# KiCad board RP2040_Fullsize.kicad_pcb (continued)
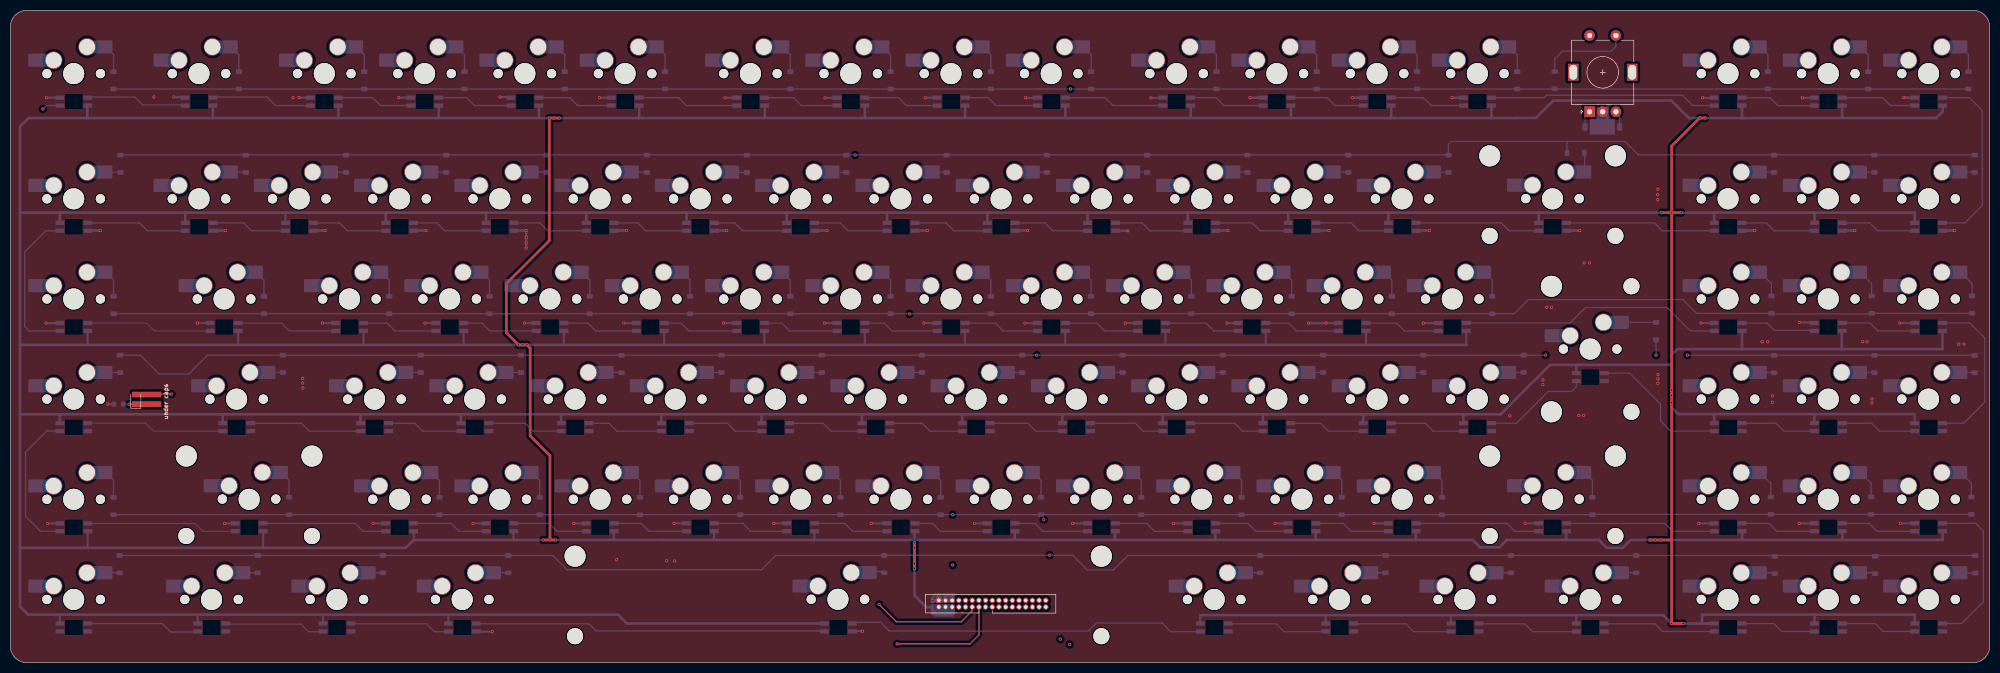
[diagram p0: board, top side]
## Nets
GND: C21.2 C22.2 J1.1 J1.3 J1.5 R1.2 RGB1.3 RGB2.3 RGB3.3 RGB4.3 RGB5.3 RGB6.3 RGB7.3 RGB8.3 RGB9.3 RGB10.3 RGB11.3 RGB12.3 RGB13.3 RGB14.3 RGB15.3 RGB16.3 RGB17.3 RGB18.3 RGB19.3 RGB20.3 RGB21.3 RGB22.3 RGB23.3 RGB24.3 RGB25.3 RGB26.3 RGB27.3 RGB28.3 RGB29.3 RGB30.3 RGB31.3 RGB32.3 RGB33.3 RGB34.3 RGB35.3 RGB36.3 RGB37.3 RGB38.3 RGB39.3 RGB40.3 RGB41.3 RGB42.3 RGB43.3 RGB44.3 RGB45.3 RGB46.3 RGB47.3 RGB48.3 RGB49.3 RGB50.3 RGB51.3 RGB52.3 RGB53.3 RGB54.3 RGB55.3 RGB56.3 RGB57.3 RGB58.3 RGB59.3 RGB60.3 RGB61.3 RGB62.3 RGB63.3 RGB64.3 RGB65.3 RGB66.3 RGB67.3 RGB68.3 RGB69.3 RGB70.3 RGB71.3 RGB72.3 RGB73.3 RGB74.3 RGB75.3 RGB76.3 RGB77.3 RGB78.3 RGB79.3 RGB80.3 RGB81.3 RGB82.3 RGB83.3 RGB84.3 RGB85.3 RGB86.3 RGB87.3 RGB88.3 RGB89.3 RGB90.3 RGB91.3 RGB92.3 RGB93.3 RGB94.3 RGB95.3 RGB96.3 RGB97.3 RGB98.3 RGB99.3 ROTARY1.C
VBUS: J1.2 J1.4 J1.6 RGB1.1 RGB2.1 RGB3.1 RGB4.1 RGB5.1 RGB6.1 RGB7.1 RGB8.1 RGB9.1 RGB10.1 RGB11.1 RGB12.1 RGB13.1 RGB14.1 RGB15.1 RGB16.1 RGB17.1 RGB18.1 RGB19.1 RGB20.1 RGB21.1 RGB22.1 RGB23.1 RGB24.1 RGB25.1 RGB26.1 RGB27.1 RGB28.1 RGB29.1 RGB30.1 RGB31.1 RGB32.1 RGB33.1 RGB34.1 RGB35.1 RGB36.1 RGB37.1 RGB38.1 RGB39.1 RGB40.1 RGB41.1 RGB42.1 RGB43.1 RGB44.1 RGB45.1 RGB46.1 RGB47.1 RGB48.1 RGB49.1 RGB50.1 RGB51.1 RGB52.1 RGB53.1 RGB54.1 RGB55.1 RGB56.1 RGB57.1 RGB58.1 RGB59.1 RGB60.1 RGB61.1 RGB62.1 RGB63.1 RGB64.1 RGB65.1 RGB66.1 RGB67.1 RGB68.1 RGB69.1 RGB70.1 RGB71.1 RGB72.1 RGB73.1 RGB74.1 RGB75.1 RGB76.1 RGB77.1 RGB78.1 RGB79.1 RGB80.1 RGB81.1 RGB82.1 RGB83.1 RGB84.1 RGB85.1 RGB86.1 RGB87.1 RGB88.1 RGB89.1 RGB90.1 RGB91.1 RGB92.1 RGB93.1 RGB94.1 RGB95.1 RGB96.1 RGB97.1 RGB98.1 RGB99.1
Caps: J1.12 LED1.2
COL0: J1.7 MX1.1 MX18.1 MX36.1 MX53.1 MX71.1 MX88.1
COL1: J1.9 MX2.1 MX19.1 MX37.1 MX54.1 MX72.1 MX89.1
COL2: J1.11 MX3.1 MX20.1 MX38.1 MX55.1 MX73.1 MX90.1
COL3: J1.13 MX4.1 MX21.1 MX39.1 MX56.1 MX74.1 MX91.1
COL4: J1.15 MX5.1 MX22.1 MX40.1 MX57.1 MX75.1
COL5: J1.17 MX6.1 MX23.1 MX41.1 MX58.1 MX76.1
COL6: J1.19 MX7.1 MX24.1 MX42.1 MX59.1 MX77.1
COL7: J1.21 MX8.1 MX25.1 MX43.1 MX60.1 MX78.1 MX92.1
COL8: J1.23 MX9.1 MX26.1 MX44.1 MX61.1 MX79.1
COL9: J1.25 MX10.1 MX27.1 MX45.1 MX62.1 MX80.1
COL10: J1.27 MX11.1 MX28.1 MX46.1 MX63.1 MX81.1
COL11: J1.29 MX12.1 MX29.1 MX47.1 MX64.1 MX82.1 MX93.1
COL12: J1.31 MX13.1 MX30.1 MX48.1 MX65.1 MX83.1 MX94.1
COL13: J1.33 MX14.1 MX31.1 MX49.1 MX66.1 MX84.1 MX95.1
COL14: J1.34 MX32.1 MX67.1 MX96.1 ROTARY1.S2
COL15: J1.32 MX15.1 MX33.1 MX50.1 MX68.1 MX85.1 MX97.1
COL16: J1.30 MX16.1 MX34.1 MX51.1 MX69.1 MX86.1 MX98.1
COL17: J1.28 MX17.1 MX35.1 MX52.1 MX70.1 MX87.1 MX99.1
R_A: C21.1 J1.10 ROTARY1.A
R_B: C22.1 J1.8 ROTARY1.B
RGB_DATA: J1.14 RGB1.4
ROW0: D1.1 D2.1 D3.1 D4.1 D5.1 D6.1 D7.1 D8.1 D9.1 D10.1 D11.1 D12.1 D13.1 D14.1 D15.1 D16.1 D17.1 D100.1 J1.26
ROW1: D18.1 D19.1 D20.1 D21.1 D22.1 D23.1 D24.1 D25.1 D26.1 D27.1 D28.1 D29.1 D30.1 D31.1 D32.1 D33.1 D34.1 D35.1 J1.24
ROW2: D36.1 D37.1 D38.1 D39.1 D40.1 D41.1 D42.1 D43.1 D44.1 D45.1 D46.1 D47.1 D48.1 D49.1 D50.1 D51.1 D52.1 J1.22
ROW3: D53.1 D54.1 D55.1 D56.1 D57.1 D58.1 D59.1 D60.1 D61.1 D62.1 D63.1 D64.1 D65.1 D66.1 D67.1 D68.1 D69.1 D70.1 J1.20
ROW4: D71.1 D72.1 D73.1 D74.1 D75.1 D76.1 D77.1 D78.1 D79.1 D80.1 D81.1 D82.1 D83.1 D84.1 D85.1 D86.1 D87.1 J1.18
ROW5: D88.1 D89.1 D90.1 D91.1 D92.1 D93.1 D94.1 D95.1 D96.1 D97.1 D98.1 D99.1 J1.16
Net-(D1-A): D1.2 MX1.2
Net-(D2-A): D2.2 MX2.2
Net-(D3-A): D3.2 MX3.2
Net-(D4-A): D4.2 MX4.2
Net-(D5-A): D5.2 MX5.2
Net-(D6-A): D6.2 MX6.2
Net-(D7-A): D7.2 MX7.2
Net-(D8-A): D8.2 MX8.2
Net-(D9-A): D9.2 MX9.2
Net-(D10-A): D10.2 MX10.2
Net-(D11-A): D11.2 MX11.2
Net-(D12-A): D12.2 MX12.2
Net-(D13-A): D13.2 MX13.2
Net-(D14-A): D14.2 MX14.2
Net-(D15-A): D15.2 MX15.2
Net-(D16-A): D16.2 MX16.2
Net-(D17-A): D17.2 MX17.2
Net-(D18-A): D18.2 MX18.2
Net-(D19-A): D19.2 MX19.2
Net-(D20-A): D20.2 MX20.2
Net-(D21-A): D21.2 MX21.2
Net-(D22-A): D22.2 MX22.2
Net-(D23-A): D23.2 MX23.2
Net-(D24-A): D24.2 MX24.2
Net-(D25-A): D25.2 MX25.2
Net-(D26-A): D26.2 MX26.2
Net-(D27-A): D27.2 MX27.2
Net-(D28-A): D28.2 MX28.2
Net-(D29-A): D29.2 MX29.2
Net-(D30-A): D30.2 MX30.2
Net-(D31-A): D31.2 MX31.2
Net-(D32-A): D32.2 MX32.2
Net-(D33-A): D33.2 MX33.2
Net-(D34-A): D34.2 MX34.2
Net-(D35-A): D35.2 MX35.2
Net-(D36-A): D36.2 MX36.2
Net-(D37-A): D37.2 MX37.2
Net-(D38-A): D38.2 MX38.2
Net-(D39-A): D39.2 MX39.2
Net-(D40-A): D40.2 MX40.2
Net-(D41-A): D41.2 MX41.2
Net-(D42-A): D42.2 MX42.2
Net-(D43-A): D43.2 MX43.2
Net-(D44-A): D44.2 MX44.2
Net-(D45-A): D45.2 MX45.2
Net-(D46-A): D46.2 MX46.2
Net-(D47-A): D47.2 MX47.2
Net-(D48-A): D48.2 MX48.2
Net-(D49-A): D49.2 MX49.2
Net-(D50-A): D50.2 MX50.2
Net-(D51-A): D51.2 MX51.2
Net-(D52-A): D52.2 MX52.2
Net-(D53-A): D53.2 MX53.2
Net-(D54-A): D54.2 MX54.2
Net-(D55-A): D55.2 MX55.2
Net-(D56-A): D56.2 MX56.2
Net-(D57-A): D57.2 MX57.2
Net-(D58-A): D58.2 MX58.2
Net-(D59-A): D59.2 MX59.2
Net-(D60-A): D60.2 MX60.2
Net-(D61-A): D61.2 MX61.2
Net-(D62-A): D62.2 MX62.2
Net-(D63-A): D63.2 MX63.2
Net-(D64-A): D64.2 MX64.2
Net-(D65-A): D65.2 MX65.2
Net-(D66-A): D66.2 MX66.2
Net-(D67-A): D67.2 MX67.2
Net-(D68-A): D68.2 MX68.2
Net-(D69-A): D69.2 MX69.2
Net-(D70-A): D70.2 MX70.2
Net-(D71-A): D71.2 MX71.2
Net-(D72-A): D72.2 MX72.2
Net-(D73-A): D73.2 MX73.2
Net-(D74-A): D74.2 MX74.2
Net-(D75-A): D75.2 MX75.2
Net-(D76-A): D76.2 MX76.2
Net-(D77-A): D77.2 MX77.2
Net-(D78-A): D78.2 MX78.2
Net-(D79-A): D79.2 MX79.2
Net-(D80-A): D80.2 MX80.2
Net-(D81-A): D81.2 MX81.2
Net-(D82-A): D82.2 MX82.2
Net-(D83-A): D83.2 MX83.2
Net-(D84-A): D84.2 MX84.2
Net-(D85-A): D85.2 MX85.2
Net-(D86-A): D86.2 MX86.2
Net-(D87-A): D87.2 MX87.2
Net-(D88-A): D88.2 MX88.2
Net-(D89-A): D89.2 MX89.2
Net-(D90-A): D90.2 MX90.2
Net-(D91-A): D91.2 MX91.2
Net-(D92-A): D92.2 MX92.2
Net-(D93-A): D93.2 MX93.2
Net-(D94-A): D94.2 MX94.2
Net-(D95-A): D95.2 MX95.2
Net-(D96-A): D96.2 MX96.2
Net-(D97-A): D97.2 MX97.2
Net-(D98-A): D98.2 MX98.2
Net-(D99-A): D99.2 MX99.2
Net-(D100-A): D100.2 ROTARY1.S1
Net-(LED1-K): LED1.1 R1.1
Net-(RGB1-DOUT): RGB1.2 RGB2.4
Net-(RGB2-DOUT): RGB2.2 RGB3.4
Net-(RGB3-DOUT): RGB3.2 RGB4.4
Net-(RGB4-DOUT): RGB4.2 RGB5.4
Net-(RGB5-DOUT): RGB5.2 RGB6.4
Net-(RGB6-DOUT): RGB6.2 RGB7.4
Net-(RGB7-DOUT): RGB7.2 RGB8.4
Net-(RGB8-DOUT): RGB8.2 RGB9.4
Net-(RGB10-DIN): RGB9.2 RGB10.4
Net-(RGB10-DOUT): RGB10.2 RGB11.4
Net-(RGB11-DOUT): RGB11.2 RGB12.4
Net-(RGB12-DOUT): RGB12.2 RGB13.4
Net-(RGB13-DOUT): RGB13.2 RGB14.4
Net-(RGB14-DOUT): RGB14.2 RGB15.4
Net-(RGB15-DOUT): RGB15.2 RGB16.4
Net-(RGB16-DOUT): RGB16.2 RGB17.4
Net-(RGB17-DOUT): RGB17.2 RGB35.4
Net-(RGB18-DIN): RGB18.4 RGB19.2
Net-(RGB18-DOUT): RGB18.2 RGB36.4
Net-(RGB19-DIN): RGB19.4 RGB20.2
Net-(RGB20-DIN): RGB20.4 RGB21.2
Net-(RGB21-DIN): RGB21.4 RGB22.2
Net-(RGB22-DIN): RGB22.4 RGB23.2
Net-(RGB23-DIN): RGB23.4 RGB24.2
Net-(RGB24-DIN): RGB24.4 RGB25.2
Net-(RGB25-DIN): RGB25.4 RGB26.2
Net-(RGB26-DIN): RGB26.4 RGB27.2
Net-(RGB27-DIN): RGB27.4 RGB28.2
Net-(RGB28-DIN): RGB28.4 RGB29.2
Net-(RGB29-DIN): RGB29.4 RGB30.2
Net-(RGB30-DIN): RGB30.4 RGB31.2
Net-(RGB31-DIN): RGB31.4 RGB32.2
Net-(RGB32-DIN): RGB32.4 RGB33.2
Net-(RGB33-DIN): RGB33.4 RGB34.2
Net-(RGB34-DIN): RGB34.4 RGB35.2
Net-(RGB36-DOUT): RGB36.2 RGB37.4
Net-(RGB37-DOUT): RGB37.2 RGB38.4
Net-(RGB38-DOUT): RGB38.2 RGB39.4
Net-(RGB39-DOUT): RGB39.2 RGB40.4
Net-(RGB40-DOUT): RGB40.2 RGB41.4
Net-(RGB41-DOUT): RGB41.2 RGB42.4
Net-(RGB42-DOUT): RGB42.2 RGB43.4
Net-(RGB43-DOUT): RGB43.2 RGB44.4
Net-(RGB44-DOUT): RGB44.2 RGB45.4
Net-(RGB45-DOUT): RGB45.2 RGB46.4
Net-(RGB46-DOUT): RGB46.2 RGB47.4
Net-(RGB47-DOUT): RGB47.2 RGB48.4
Net-(RGB48-DOUT): RGB48.2 RGB49.4
Net-(RGB49-DOUT): RGB49.2 RGB50.4
Net-(RGB50-DOUT): RGB50.2 RGB51.4
Net-(RGB51-DOUT): RGB51.2 RGB52.4
Net-(RGB52-DOUT): RGB52.2 RGB70.4
Net-(RGB53-DIN): RGB53.4 RGB54.2
Net-(RGB53-DOUT): RGB53.2 RGB71.4
Net-(RGB54-DIN): RGB54.4 RGB55.2
Net-(RGB55-DIN): RGB55.4 RGB56.2
Net-(RGB56-DIN): RGB56.4 RGB57.2
Net-(RGB57-DIN): RGB57.4 RGB58.2
Net-(RGB58-DIN): RGB58.4 RGB59.2
Net-(RGB59-DIN): RGB59.4 RGB60.2
Net-(RGB60-DIN): RGB60.4 RGB61.2
Net-(RGB61-DIN): RGB61.4 RGB62.2
Net-(RGB62-DIN): RGB62.4 RGB63.2
Net-(RGB63-DIN): RGB63.4 RGB64.2
Net-(RGB64-DIN): RGB64.4 RGB65.2
Net-(RGB65-DIN): RGB65.4 RGB66.2
Net-(RGB66-DIN): RGB66.4 RGB67.2
Net-(RGB67-DIN): RGB67.4 RGB68.2
Net-(RGB68-DIN): RGB68.4 RGB69.2
Net-(RGB69-DIN): RGB69.4 RGB70.2
Net-(RGB71-DOUT): RGB71.2 RGB72.4
Net-(RGB72-DOUT): RGB72.2 RGB73.4
Net-(RGB73-DOUT): RGB73.2 RGB74.4
Net-(RGB74-DOUT): RGB74.2 RGB75.4
Net-(RGB75-DOUT): RGB75.2 RGB76.4
Net-(RGB76-DOUT): RGB76.2 RGB77.4
Net-(RGB77-DOUT): RGB77.2 RGB78.4
Net-(RGB78-DOUT): RGB78.2 RGB79.4
Net-(RGB79-DOUT): RGB79.2 RGB80.4
Net-(RGB80-DOUT): RGB80.2 RGB81.4
Net-(RGB81-DOUT): RGB81.2 RGB82.4
Net-(RGB82-DOUT): RGB82.2 RGB83.4
Net-(RGB83-DOUT): RGB83.2 RGB84.4
Net-(RGB84-DOUT): RGB84.2 RGB85.4
Net-(RGB85-DOUT): RGB85.2 RGB86.4
Net-(RGB86-DOUT): RGB86.2 RGB87.4
Net-(RGB87-DOUT): RGB87.2 RGB99.4
Net-(RGB88-DIN): RGB88.4 RGB89.2
Net-(RGB89-DIN): RGB89.4 RGB90.2
Net-(RGB90-DIN): RGB90.4 RGB91.2
Net-(RGB91-DIN): RGB91.4 RGB92.2
Net-(RGB92-DIN): RGB92.4 RGB93.2
Net-(RGB93-DIN): RGB93.4 RGB94.2
Net-(RGB94-DIN): RGB94.4 RGB95.2
Net-(RGB95-DIN): RGB95.4 RGB96.2
Net-(RGB96-DIN): RGB96.4 RGB97.2
Net-(RGB97-DIN): RGB97.4 RGB98.2
Net-(RGB98-DIN): RGB98.4 RGB99.2

Pads without a net: RGB88 2

## Via types
v1: diameter 0.6, hole 0.3, Top to Bottom, 155 vias

## Routing (per net, layer and track width the routed paths; a pad name or vN(x,y) marks a point on that pad's centre or on a via; arc(x,y) is an arc through that point)
GND: length 183.1
  Bottom w0.25: 19.57,49.16 18.5,49.16
  Bottom w0.4: 33.25,107.55 v1(31.02,107.55) ; 76.01,107.43 v1(73.78,107.43) ; 9.32,26.44 v1(7.07,26.44) ; v1(339.93,64.68) 339.94,64.66 342.51,64.66 ; 156.99,64.55 v1(154.65,64.55) ; 261.68,26.45 v1(259.05,26.45) ; 118.89,64.55 116.55,64.55 v1(116.5,64.6) ; 252.24,64.55 v1(249.95,64.55) ; 9.35,64.55 v1(6.75,64.55) ; 147.38,26.45 v1(145.02,26.45) ; 195.09,64.55 v1(192.75,64.55) ; 71.28,26.45 v1(68.9,26.45) ; 176.03,107.4 v1(173.8,107.4) ; 95.22,107.55 v1(92.99,107.55) ; 233.19,64.55 v1(231.1,64.55) ; 128.33,26.45 v1(126.08,26.45) ; 156.98,107.4 v1(154.75,107.4) ; 80.79,64.55 v1(78.75,64.55) ; v1(6.82,107.4) 6.85,107.43 RGB1.3 ; 61.75,64.55 v1(59.25,64.55) 59.2,64.6 ; 166.43,26.45 v1(163.52,26.45) ; 204.53,26.45 v1(201.77,26.45) ; 114.16,107.43 v1(111.93,107.43) ; 176.04,64.55 v1(173.52,64.55) ; 214.14,64.55 v1(211.8,64.55) ; 223.58,26.45 v1(220.92,26.45) ; 185.48,26.45 v1(183.15,26.45) ; 195.08,107.4 v1(192.85,107.4) ; v1(358.95,64.58) 358.97,64.56 361.69,64.56 ; 323.68,26.45 v1(320.77,26.45) ; 342.68,107.4 v1(340.45,107.4) ; 137.98,107.4 v1(135.75,107.4) ; 42.67,26.45 v1(40.65,26.45) ; 99.84,64.55 v1(97.68,64.55) ; 109.28,26.45 v1(107.02,26.45) ; 323.65,64.55 v1(321.18,64.55) ; 290.25,26.45 v1(287.77,26.45) ; 361.77,26.45 v1(359.07,26.45) ; 176.38,11.84 v1(176.38,12.8) ; 242.63,26.45 v1(240.25,26.45) ; 137.94,64.55 v1(135.47,64.55) ; 57.03,107.43 v1(54.8,107.43) ; 323.73,107.4 v1(321.5,107.4) ; 271.29,64.55 v1(268.43,64.55) ; 37.92,64.55 v1(35.5,64.55) ; 342.72,26.45 v1(339.88,26.45) ; 218.91,107.38 v1(216.68,107.38) ; 160.02,5.96 v1(161.86,5.96) ; 90.23,26.45 v1(87.9,26.45) ; 88.53,5.85 v1(91.55,5.85)
  Bottom w0.5: 171.82,82.16 v1(174.18,82.16) ; 175.25,11.82 v1(175.25,11.82) J1.1 J1.3 J1.5 ; 329.05,82.16 v1(331.4,82.16) ; RGB17.3 359.73,107.43 v1(359.73,107.43) ; 76.57,82.16 v1(78.93,82.16) ; ROTARY1.C 302.51,103.11 302.46,103.05 ; 133.72,82.16 v1(136.08,82.16) ; 235.52,107.43 v1(235.52,107.43) RGB12.3 ; 14.72,82.16 v1(17.08,82.16) ; 152.77,82.16 v1(155.13,82.16) ; 248.15,82.16 v1(250.51,82.16) ; 367.02,82.16 v1(369.38,82.16) ; 228.97,82.16 v1(231.33,82.16) ; v1(273.87,107.43) 273.88,107.43 RGB14.3 ; v1(246.65,64.55) v1(249.95,64.55) ; 95.62,82.16 v1(97.98,82.16) 97.98,82.15 v1(97.98,78.8) ; RGB28.3 v1(212.32,82.11) ; 190.87,82.16 v1(193.23,82.16) ; 57.39,82.16 v1(59.75,82.16) ; 38.47,82.16 v1(40.83,82.16) ; RGB13.3 v1(254.95,107.43) 254.95,107.43 ; 267.2,82.16 v1(269.56,82.16) ; 114.67,82.16 v1(117.03,82.16) ; 348.04,82.16 v1(350.4,82.16) ; 295.77,82.16 v1(298.13,82.16)
  vias: v1(18.48,49.18) v1(27.24,107.55) v1(53.67,107.43) v1(55.5,54.05) v1(55.5,53.15) v1(55.55,52.2) v1(97.98,79.77) v1(98,80.8) v1(115.15,19.53) v1(124.68,19.34) v1(126.17,19.31) v1(284.84,46.9) v1(291.14,53.73) v1(291.14,52.84) v1(291.89,67.54) v1(292.81,67.54) v1(298,47) v1(298.9,47) v1(299,76) v1(300,76) v1(312.98,88.97) v1(312.98,88) v1(313,90) v1(313,54.75) v1(313,53.95) v1(313,53.1) v1(332.8,61) v1(333.85,61) v1(334.75,50.71) v1(334.73,49.49) v1(351.9,61) v1(352.75,61) v1(353.67,50.13) v1(353.65,49.36) v1(370.15,60.55) v1(371.15,60.55)
VBUS: length 2615.6
  Top w0.4: 315.6,85.48 315.65,85.53
  Top w0.5: v1(102.49,23.3) 102.49,39.33 98.73,43.09 98.73,59.8 v1(98.12,60.41) v1(96.51,60.41) 94.22,62.7 94.22,72.08 102.36,80.22 v1(102.36,103.55) v1(104.28,103.55) ; v1(322.02,103.56) 320.98,103.56 v1(320.97,103.57) 320.95,103.57 315.61,98.23 v1(315.61,85.56) ; 171.75,17.91 v1(171.75,22.77) ; 317.4,85.56 v1(313.75,85.56) 313.68,85.56 ; 315.6,85.48 v1(315.6,51.8) v1(315.6,7.4) 317.7,7.4 ; v1(103.56,23.3) v1(101.22,23.3) ; 315.6,23.3 v1(313.55,23.3) v1(312.52,23.3) v1(311.5,23.3) ; 322.04,103.58 322.03,103.59
  Bottom w0.4: 286.1,103.55 286.11,103.56 ; 90.34,85.55 90.35,85.56 ; 9.32,9.1 9.35,9.08 9.35,7.4 ; 35.55,9.1 35.54,9.09 35.54,7.3 ; 276.05,47.15 276.1,47.2 ; 257.54,63.03 257.54,60.41 ; 200.39,63.03 200.39,60.41 ; 181.34,63.03 181.34,60.41 ; 290.36,85.55 290.35,85.56 ; 147.49,85.55 147.5,85.56 ; 249.86,7.35 249.86,8.96 249.9,9 ; 48,21.8 48,24.95 ; 347.94,59.64 347.9,59.6 ; 162.31,63.05 162.31,60.41 ; 76.6,23.3 76.6,23.3 76.6,24.95 ; 1.9,21.8 1.8,21.9 ; 247.95,23.35 248,23.3 ; 226.1,9 226.05,8.95 226.05,7.35 ; 9.38,47.18 9.35,47.2 ; 242.74,85.55 242.75,85.56 ; 298.6,56.6 297.5,56.6 297.48,56.58 ; 1.86,85.56 1.8,85.5 ; 297.49,7.35 297.49,8.99 297.5,9 ; 71.29,85.55 71.3,85.56 ; 295.58,23.32 295.6,23.3 ; 33.19,85.55 33.2,85.56 ; 238.49,63.03 238.49,60.41 ; 95.6,23.3 95.55,23.35 95.55,24.95 ; 40.32,47.18 40.3,47.2 ; 361.77,47.25 361.77,45.49 ; 273.7,9 273.68,8.98 273.68,7.35 ; 342.15,47.25 342.7,47.25 342.72,47.23 ; 237.95,47.15 238,47.2 ; 161.75,47.15 161.8,47.2 ; 14.7,21.8 14.65,21.85 14.65,24.94 ; 143.24,63.03 143.24,60.41 ; 114.6,23.3 114.6,23.3 114.6,24.95 ; 86.09,63.03 86.09,60.41 ; 219.44,63.03 219.44,60.41 ; 14.84,103.55 14.61,103.55 14.59,103.57 ; 52.24,83.6 52.24,85.55 52.25,85.56 ; 1.85,47.2 1.8,47.15 ; 166.54,85.55 166.55,85.56 ; 133.65,24.95 133.65,23.35 133.7,23.3 ; 14.65,63.03 14.65,60.41 ; 316.69,59.61 316.7,59.6 ; 152.7,23.3 152.7,23.3 152.7,24.95 ; 323.7,7.4 321.4,7.4 ; 342.75,9.05 342.7,9.1 ; 199.85,47.15 199.8,47.2 ; 367.1,59.6 367.07,59.63 ; 223.69,85.55 223.7,85.56 ; 59.38,7.35 59.38,9.1 ; 105.14,63.03 105.14,60.41 ; RGB37.1 43.25,60.51 ; 185.59,85.55 185.6,85.56 ; 328.97,59.63 329,59.6 ; v1(317.8,7.4) v1(315.6,7.4) ; 171.75,23.35 171.8,23.3 ; 124.19,63.03 124.19,60.41 ; 204.64,85.55 204.65,85.56 ; 9.38,85.48 9.46,85.56 10.1,85.56 ; 67.08,63.05 67.08,60.41 ; 123.65,47.15 123.6,47.2 ; 128.44,85.55 128.45,85.56 ; 256.7,47.2 257,47.2 ; 267,23.3 267,23.3 ; 276.59,63.03 276.59,60.41 ; 109.39,85.55 109.4,85.56 ; 83.2,7.35 83.2,9.1 ; 261.79,85.52 261.75,85.56 ; 85.55,47.15 85.5,47.2
  Bottom w0.5: 109.39,83.6 109.39,85.55 ; 171.75,21.84 v1(171.75,22.77) 171.75,23.3 ; 218.9,45.49 218.9,47.2 ; 218.9,47.2 283.12,47.2 292.51,56.6 315.6,56.6 ; 218.9,47.2 180.8,47.2 ; 348,105.88 348,103.6 ; 329.4,103.55 365.88,103.55 367.1,104.77 RGB17.1 ; 329.4,103.55 318.9,103.55 315.58,106.87 293.13,106.87 289.82,103.56 286.11,103.56 ; 329.4,103.55 328.97,103.55 328.97,105.9 ; 66.5,47.2 1.85,47.2 ; 66.5,47.2 104.6,47.2 ; 66.5,47.2 66.5,45.49 ; 323.7,7.4 v1(315.6,7.4) 314,9 226.1,9 ; 190.8,24.95 190.8,23.55 ; 76.6,23.3 228.9,23.3 ; 228.9,23.3 277.8,23.3 279.2,21.9 282.9,21.9 284.3,23.3 301.8,23.3 303.3,21.8 306.3,21.8 307.8,23.3 v1(313.55,23.3) 367.1,23.3 367.1,24.95 ; 228.9,23.3 228.9,24.95 ; 33.19,83.6 33.19,85.55 ; 295.58,24.95 295.58,23.32 ; 119.44,103.55 v1(104.28,103.55) v1(103.25,103.55) v1(102.36,103.55) 3.42,103.55 1.8,101.93 1.8,60.41 ; 119.44,103.55 119.45,103.56 RGB6.1 ; 119.44,103.55 243.24,103.55 ; 90.34,83.6 90.34,85.55 ; 243.24,103.55 243.27,103.58 RGB12.1 ; 243.24,103.55 262.34,103.55 ; 40.32,45.5 40.32,47.18 ; 323.7,45.5 323.7,47.25 ; 323.7,47.25 316.85,47.25 315.6,48.5 v1(315.6,49.4) v1(315.6,50.8) v1(315.6,51.8) 315.6,56.6 ; 323.7,47.25 361.77,47.25 ; J1.4 J1.6 ; 143.32,105.96 143.32,103.62 ; 323.7,85.56 v1(317.44,85.56) v1(315.61,85.56) 1.86,85.56 ; 323.7,85.56 342.75,85.56 ; 323.7,85.56 323.7,83.6 ; 329,24.95 329,23.3 ; 104.6,47.2 142.7,47.2 ; 104.6,47.2 104.6,45.49 ; 81.34,105.93 81.34,103.57 ; 14.59,106.05 14.59,103.57 ; 71.29,83.6 71.29,85.55 ; 347.94,63.03 347.94,59.64 ; 181.37,105.9 181.37,103.58 ; 367.1,59.6 316.7,59.6 ; 281.39,103.55 281.38,103.57 RGB14.1 ; 281.39,103.55 286.1,103.55 ; 281.39,103.55 262.34,103.55 ; 200.42,105.9 200.42,103.58 ; 38.44,105.86 38.44,103.55 ; 123.65,45.49 123.65,47.15 ; 209.85,24.95 209.85,23.3 ; 247.95,24.95 247.95,23.35 ; 342.72,45.49 342.72,47.23 ; 162.32,105.9 162.32,103.58 ; 262.34,103.55 262.32,103.57 RGB13.1 ; 199.85,45.49 199.85,47.15 ; 223.69,83.6 223.69,85.55 ; 171.75,17.85 171.75,18.79 ; 9.38,45.53 9.38,47.18 ; 161.75,45.49 161.75,47.15 ; 361.8,83.6 361.8,85.56 342.75,85.56 ; 142.7,47.2 180.8,47.2 ; 142.7,47.2 142.7,45.49 ; 1.8,60.41 1.8,10.65 3.35,9.1 115.42,9.1 117.11,7.41 RGB92.1 154.54,7.33 ; 1.8,60.41 v1(97.33,60.41) 276.59,60.41 ; 342.75,83.6 342.75,85.56 ; 147.49,83.6 147.49,85.55 ; 85.55,45.49 85.55,47.15 ; 257,45.49 257,47.2 ; 297.48,55.02 297.48,56.58 ; 315.6,56.6 315.6,58.53 316.69,59.61 ; 62.29,105.93 62.29,103.57 ; 171.75,24.95 171.75,23.35 ; v1(171.75,18.8) 171.75,12.75 173.95,10.55 177.64,10.55 ; 242.74,83.6 242.74,85.55 ; 348.05,24.95 348.05,23.3 ; 276.05,45.49 276.05,47.15 ; 100.39,105.93 100.39,103.57 ; 180.8,47.2 180.8,45.49 ; 328.97,63.05 328.97,59.63 ; 185.59,83.6 185.59,85.55 ; 204.64,83.6 204.64,85.55 ; 1.9,21.8 75.1,21.8 76.6,23.3 ; 166.54,83.6 166.54,85.55 ; 237.95,45.49 237.95,47.15 ; 321.4,7.4 321.4,9.1 361.8,9.1 361.8,7.4 ; 261.79,83.6 261.79,85.52 ; 367.07,59.63 367.07,63.05 ; 267,24.95 267,23.3 ; 9.38,83.6 9.38,85.48 ; 290.36,83.6 290.36,85.55 ; 224.24,105.89 224.24,103.58 ; 128.44,83.6 128.44,85.55 ; 342.75,7.4 342.75,9.05
  vias: v1(171.74,21.83) v1(171.77,17.89)
Caps: length 190.3
  Top w0.25: v1(30.59,51.03) 30.57,51.05 23.85,51.05 ; v1(165.03,11.03) 168.32,7.75 180.62,7.75 182.73,9.85 J1.12
  In1.Cu w0.25: v1(30.59,51.03) 30.59,33.31 54.67,9.23 163.22,9.23 v1(165.03,11.03)
COL0: length 311.9
  In2.Cu w0.25: 2.95,33.6 2.97,33.58 MX71.1 ; 2.95,33.6 2.95,19.77 MX88.1 18.7,14.53 31.93,1.3 162.9,1.3 175.5,13.9 179.39,13.9 180.19,13.1 J1.7 ; 2.95,33.6 2.95,52.69 ; 2.95,90.65 3.03,90.73 MX18.1 ; 2.95,90.65 2.95,71.65 ; 2.95,90.65 2.95,113 4.49,114.54 MX1.1 ; 2.95,52.69 3.01,52.63 MX53.1 ; 2.95,52.69 2.95,71.65 ; 2.95,71.65 2.98,71.68 MX36.1
COL1: length 286.1
  In2.Cu w0.25: 35.75,52.56 35.81,52.63 MX54.1 ; 35.75,52.56 35.75,54.6 28.76,61.58 28.76,71.74 ; 35.75,52.56 35.75,41.85 37.53,40.07 37.53,33.64 ; 28.76,71.74 28.83,71.68 MX37.1 ; 28.76,71.74 28.76,90.79 ; 28.76,90.79 28.83,90.73 MX19.1 ; 28.76,90.79 28.76,113.65 29.65,114.54 MX2.1 ; 37.53,33.64 37.53,17.67 MX89.1 45.07,14.53 57.8,1.8 162.67,1.8 175.57,14.7 180.09,14.7 181.46,13.33 J1.9 ; 37.53,33.64 37.55,33.62 MX72.1
COL2: length 284
  In2.Cu w0.25: MX3.1 52.13,114.54 51.05,113.46 MX20.1 59.97,90.73 61.7,89 61.7,77 60.58,75.88 MX38.1 69.34,71.68 71.31,69.71 71.31,58.6 MX55.1 74.29,52.63 75.88,51.04 75.88,39.36 MX73.1 64.6,33.58 62.97,31.95 62.97,24.07 58.2,19.3 MX90.1 67.47,14.53 79.7,2.3 162.45,2.3 175.35,15.2 181.39,15.2 182.73,13.86 J1.11
COL3: length 256.7
  In2.Cu w0.25: MX4.1 72.53,114.54 70.1,112.11 MX21.1 79.75,90.73 80.58,89.9 80.58,72.63 MX39.1 89.03,71.68 90.36,70.34 90.36,58.6 MX56.1 93.34,52.63 95.19,50.79 95.06,50.66 95.06,39.48 MX74.1 89.15,30.13 82,22.98 82,19.4 82.01,19.39 MX91.1 92.57,14.53 104.2,2.9 162.32,2.9 175.32,15.9 182.4,15.9 184,14.3 J1.13
COL4: length 228.3
  In2.Cu w0.25: J1.15 185.27,14.69 183.36,16.6 175.3,16.6 162.3,3.6 130.1,3.6 118.9,14.8 118.9,32.1 117.42,33.58 MX75.1 113.85,39.23 113.85,50.91 112.14,52.63 MX57.1 109.41,58.6 109.41,70.34 108.08,71.68 MX40.1 100.4,73.4 100.4,89.3 98.97,90.73 MX22.1 89.15,112.19 91.5,114.54 MX5.1
COL5: length 213.3
  In2.Cu w0.25: J1.17 186.54,15.06 184.5,17.1 175.07,17.1 162.17,4.2 146.9,4.2 138.1,13 138.1,31.9 136.42,33.58 MX76.1 133.03,39.36 133.03,50.79 131.19,52.63 MX58.1 128.33,58.47 128.33,70.09 126.74,71.68 MX41.1 117.73,76.63 120.1,79 120.1,89.2 118.57,90.73 MX23.1 108.2,113.97 108.77,114.54 MX6.1
COL6: length 195.5
  In2.Cu w0.25: MX7.1 133.67,114.54 127.25,108.13 MX24.1 127.25,87.69 125.5,85.94 125.5,78.7 132.52,71.68 MX42.1 146.81,71.68 147.25,71.23 147.25,58.34 MX59.1 150.49,52.63 151.95,51.17 151.95,39.23 MX77.1 146.3,30.54 143,27.24 143,12.6 146.3,9.3 165.2,9.3 173.5,17.6 185.51,17.6 187.81,15.3 J1.19
COL7: length 185.7
  In2.Cu w0.25: MX92.1 153.4,19.59 161.73,27.93 161.73,32.5 162.75,33.51 162.88,33.51 162.94,33.58 MX78.1 ; J1.21 189.08,15.72 180.78,24.02 180.78,30.22 177.42,33.58 MX78.1 ; MX8.1 153.49,114.54 149.16,110.21 149.16,99.94 146.3,97.08 MX25.1 155.47,90.73 157.8,88.4 157.8,79.6 155.83,77.63 MX43.1 165.23,71.68 166.69,70.22 166.69,58.72 MX60.1 169.42,52.63 171,51.04 171,39.23 MX78.1
COL8: length 154.9
  In2.Cu w0.25: J1.23 190.35,15.85 194.9,20.4 194.9,32.1 193.42,33.58 MX79.1 190.05,39.23 190.05,51.17 188.59,52.63 MX61.1 185.48,58.47 185.48,70.34 184.15,71.68 MX44.1 174.88,78.98 176.8,80.9 176.8,88.6 174.67,90.73 MX26.1 165.35,97.2 171.51,103.36 171.51,113.91 172.15,114.54 MX9.1
COL9: length 148.8
  In2.Cu w0.25: MX10.1 192.21,114.54 190.44,112.76 190.44,112.51 188.91,110.98 188.91,95.24 MX27.1 193.47,90.73 195.6,88.6 195.6,80.9 193.93,79.23 MX45.1 202.94,71.68 204.41,70.22 204.41,58.34 MX62.1 207.64,52.63 209.23,51.04 209.23,39.36 MX80.1 200.76,33.58 197.9,30.72 197.9,22.1 191.62,15.82 J1.25
COL10: length 155.7
  In2.Cu w0.25: 217.3,33.58 217.3,22.9 210.8,16.4 194.8,16.4 192.89,14.49 J1.27 ; 217.3,33.58 MX81.1 ; 217.3,33.58 217.3,39.92 213.8,43.42 213.8,56.56 209.74,60.63 209.74,70.47 210.95,71.68 MX46.1 212.98,77.28 214.8,79.1 214.8,88.25 212.32,90.73 MX28.1 203.45,103.94 214.06,114.54 MX11.1 ; 213.87,52.63 MX63.1
COL11: length 176.5
  In2.Cu w0.25: 233.2,90.73 MX29.1 ; MX12.1 234.63,114.54 233.2,113.11 233.2,80.6 232.03,79.43 MX47.1 230.12,71.68 228.92,70.47 228.92,60.5 MX64.1 245.62,52.63 247.33,50.91 247.33,39.36 MX82.1 238.5,33.58 237.43,32.5 237.43,23.99 233.36,19.93 227.26,19.93 224.88,17.54 MX93.1 195.43,14.53 194.16,13.26 J1.29
COL12: length 203.7
  In2.Cu w0.25: 255.52,33.58 MX83.1 ; 255.52,33.58 255.52,40.05 252.41,43.17 252.41,50.79 254.25,52.63 MX65.1 261.68,58.47 261.68,69.71 259.71,71.68 MX48.1 251.08,79.08 253,81 253,113.65 253.89,114.54 256.74,114.54 ; 255.52,33.58 255.5,33.56 255.5,25.4 248.7,18.6 MX94.1 248.7,11 242,4.3 220.55,4.3 211.15,13.7 196.38,13.7 195.43,12.75 J1.31 ; MX30.1 252.94,90.73 253,90.66
COL13: length 235.5
  In2.Cu w0.25: 271.87,90.73 271.87,112.67 271.97,112.76 271.97,113.02 273.49,114.54 MX14.1 ; 271.87,90.73 MX31.1 ; 271.87,90.73 273.5,89.1 273.5,81 270.13,77.63 MX49.1 279.53,71.68 280.73,70.47 280.73,58.47 MX66.1 284.86,52.63 289.17,48.32 MX84.1 283.5,33.62 272.51,22.62 MX95.1 272.51,11.01 265.07,3.58 219.85,3.58 211.61,11.82 J1.33
COL14: length 248.9
  In2.Cu w0.25: MX32.1 289.17,87.42 285.94,84.19 285.94,66.79 290.57,62.15 MX67.1 307.97,62.15 310.32,59.8 310.32,32.75 296.32,18.75 MX96.1 296.32,10.82 288.5,3 219.2,3 211.65,10.55 J1.34 ; 289.18,90.73 289.18,112.7 295.73,119.25 ROTARY1.S2
COL15: length 290.9
  In2.Cu w0.25: 319.3,90.7 319.3,52.5 ; 319.3,90.7 319.33,90.73 MX33.1 ; 319.3,90.7 319.3,71.68 ; 319.3,90.7 319.3,113 320.84,114.54 MX15.1 ; 319.3,52.5 319.3,52.4 ; 319.3,52.5 319.43,52.63 MX68.1 ; 319.3,33.6 319.32,33.58 MX85.1 ; 319.3,33.6 319.3,17.74 MX97.1 314.63,14.53 302.55,2.45 218.55,2.45 211.9,9.1 195.95,9.1 195.43,9.62 J1.32 ; 319.3,33.6 319.3,52.4 ; 319.3,71.68 319.3,71.68 MX50.1 ; 319.3,71.68 319.3,52.4
COL16: length 277.3
  In2.Cu w0.25: MX51.1 338.36,71.68 338.3,71.74 ; 338.3,51.55 338.3,71.74 ; 338.3,51.55 338.3,52.6 338.33,52.63 MX69.1 ; 338.3,51.55 338.3,33.6 ; 338.3,71.74 338.3,90.68 ; MX16.1 339.84,114.54 338.3,113 338.3,90.68 ; 338.3,33.6 338.3,17.79 MX98.1 341.56,10.56 332.77,1.78 217.8,1.78 211.38,8.2 195.22,8.2 194.16,9.27 J1.30 ; 338.3,33.6 338.32,33.58 MX86.1 ; MX34.1 338.35,90.73 338.3,90.68
COL17: length 307
  In2.Cu w0.25: MX52.1 356.56,71.68 ; MX99.1 356.71,18.43 ; MX99.1 360.62,10.72 351.15,1.25 216.9,1.25 210.85,7.3 194.4,7.3 192.89,8.81 J1.28 ; MX99.1 356.55,18.59 356.55,113.02 358.07,114.54 MX17.1 ; MX35.1 356.57,90.73 ; MX87.1 356.55,33.58 ; MX70.1 356.53,52.63
R_A: length 205.5
  In1.Cu w0.25: ROTARY1.A 296.34,104.75 293.18,101.59 287.72,101.59 284.5,98.37 284.5,63.8 280.8,60.1 254.1,60.1 251.8,57.8 251.8,24.6 248.9,21.7 216.72,21.7 v1(199.45,4.43)
  In2.Cu w0.25: J1.10 181.46,8.72 185.74,4.43 v1(199.45,4.43)
  Bottom w0.25: C21.1 299.15,103.88
R_B: length 214.9
  In1.Cu w0.25: v1(201.23,3.42) 218.88,21.07 249.37,21.07 252.4,24.1 252.4,57.6 254.2,59.4 281.2,59.4 285.28,63.48 285.28,98.01 287.97,100.7 302.58,100.7 305.01,103.13 ROTARY1.B
  In2.Cu w0.25: J1.8 180.19,8.69 185.46,3.42 v1(201.23,3.42)
  Bottom w0.25: C22.1 305.75,104.02 ROTARY1.B
RGB_DATA: length 284.1
  Top w0.25: J1.14 184,5.23 182.31,3.54 v1(168.46,3.54)
  In1.Cu w0.25: v1(168.46,3.54) 167.32,2.4 27.49,2.4 23.68,6.21 23.68,95.87 21.02,98.54 10.86,98.54 6.16,103.24 v1(6.16,105.27)
  Bottom w0.25: v1(6.16,105.27) 6.81,105.93 RGB1.4
ROW0: length 476.8
  In1.Cu w0.25: v1(201.4,109.08) 201.4,95.28 198.88,92.75 198.88,82.1 207.52,73.45 207.52,54.15 210.07,51.6 210.07,41.68 214,37.75 214,21.9 200.29,8.19 192.55,8.19 191.62,9.12 J1.26
  Bottom w0.25: D1.1 v1(201.4,109.08) D16.1 D17.1
ROW1: length 479.4
  In1.Cu w0.25: v1(160.5,96.53) 160.5,82.98 169.8,73.68 169.8,54.15 173.12,50.82 173.12,38.35 176.72,34.76 176.72,20.31 171.89,15.48 171.89,6.65 173.66,4.88 187.15,4.88 190.35,8.07 J1.24
  Bottom w0.25: D32.1 295.72,99.1 295.72,99.1 ; 295.72,99.1 273.75,99.1 273.2,98.55 273.2,96.55 20.85,96.55 ; 295.72,99.1 306.75,99.1 309.3,96.55 373.21,96.55
ROW2: length 440.6
  In1.Cu w0.25: J1.22 189.08,8.05 186.5,5.48 174.03,5.48 172.44,7.07 172.44,14.76 172.43,14.77 172.43,15.11 177.99,20.67 177.99,34.78 174.13,38.65 174.13,50.84 170.8,54.17 v1(170.8,66.3)
  Bottom w0.25: 19.57,66.33 285.7,66.33 288.4,69.02 317.71,69.02 320.34,66.4 334.55,66.4 ; 353.6,66.3 334.65,66.3 ; D51.1 D52.1
ROW3: length 445.8
  In1.Cu w0.25: v1(291.65,58.46) 293.13,56.98 307.46,56.98 308.93,58.45 v1(312.65,58.45) v1(318.6,58.45) ; v1(194.97,58.45) 194.97,22.68 191.59,19.29 177.65,19.29 172.93,14.57 172.93,7.77 174.12,6.58 185.95,6.58 187.81,8.43 J1.20
  Bottom w0.25: v1(318.6,58.45) 373.22,58.45 ; v1(291.65,58.46) 291.65,58.45 51.75,58.45 D54.1 37.43,58.46 33.83,54.85 28.27,54.85 24.67,58.46 D53.1 ; D67.1 v1(312.65,58.45)
ROW4: length 416.3
  In1.Cu w0.25: v1(196.3,27.18) 196.3,22 192.83,18.53 v1(179,18.53) 178.31,18.53 173.45,13.67 173.45,8.51 174.53,7.43 185.09,7.43 186.54,8.88 J1.18
  In2.Cu w0.25: v1(179,18.53) 179,28.11 v1(179,28.11)
  Bottom w0.2: v1(196.3,27.18) 196.3,28.49
  Bottom w0.25: D87.1 300.63,28.18 D84.1 D80.1 D78.1 D71.1
ROW5: length 400.4
  In1.Cu w0.25: v1(197.42,20.4) 193.9,16.88 178.04,16.88 174.12,12.96 174.12,9.26 175.35,8.03 184.02,8.03 185.27,9.27 J1.16
  Bottom w0.25: 166.19,20.4 201.8,20.4 204.6,17.6 209.55,17.6 212.3,20.35 373.25,20.35 ; D88.1 D90.1 D91.1 103.01,20.36 105.73,17.64 142.68,17.64 145.4,20.36 D92.1
Net-(D1-A): length 5.3
  Bottom w0.25: D1.2 19.57,115.6 MX1.2
Net-(D2-A): length 5.3
  Bottom w0.25: MX2.2 43.39,115.6 D2.2
Net-(D3-A): length 5.3
  Bottom w0.25: MX3.2 67.2,115.6 D3.2
